# KiCad board keyboard.kicad_pcb (continued)
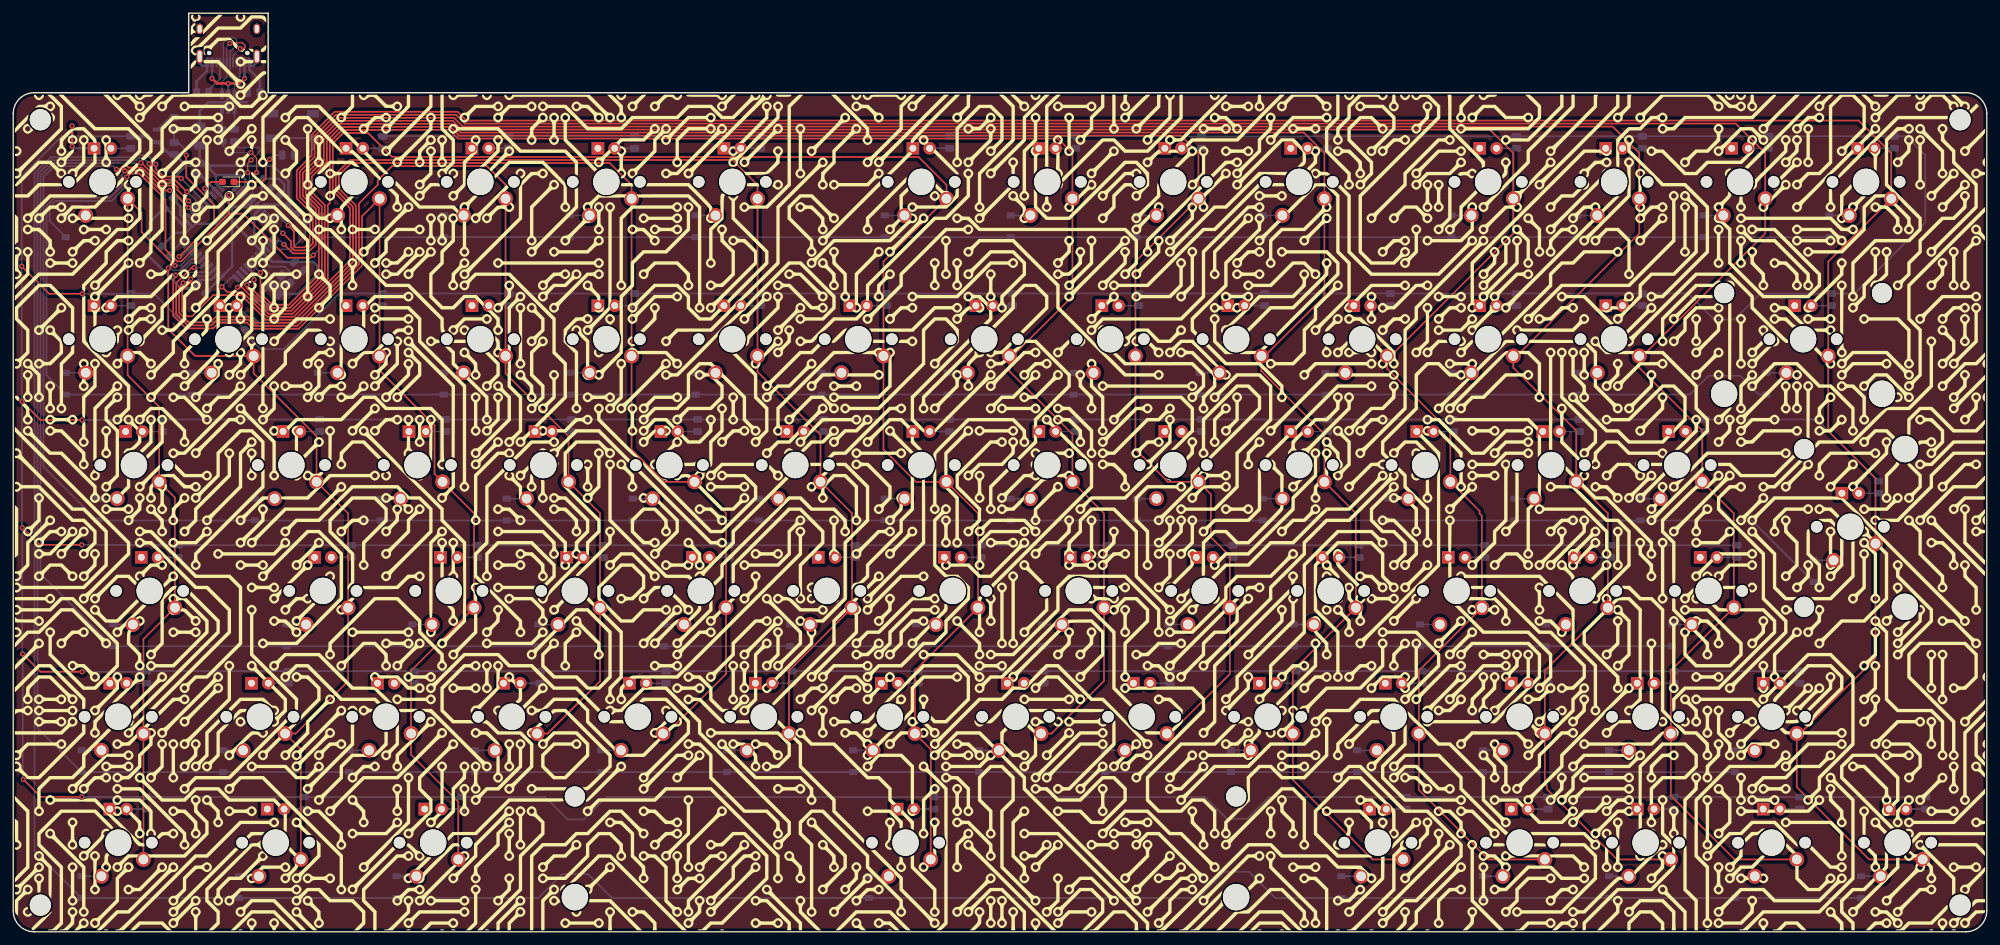
[diagram p0: board, top side]
## Nets
+5V: C4.1 C5.1 C6.1 C7.1 F1.1 Q1.2 R1.1 R85.2 U1.2 U1.7 U1.14 U1.24 U1.34 U1.44
GND: C1.2 C2.2 C3.2 C4.2 C5.2 C6.2 C7.2 K_0.4 K_1.4 K_2.4 K_3.4 K_4.4 K_5.4 K_6.4 K_7.4 K_8.4 K_9.4 K_10.4 K_11.4 K_12.4 K_13.4 K_14.4 K_15.4 K_16.4 K_17.4 K_18.4 K_19.4 K_20.4 K_21.4 K_22.4 K_23.4 K_24.4 K_25.4 K_26.4 K_27.4 K_28.4 K_29.4 K_30.4 K_31.4 K_32.4 K_33.4 K_34.4 K_35.4 K_36.4 K_37.4 K_38.4 K_39.4 K_40.4 K_41.4 K_42.4 K_43.4 K_44.4 K_45.4 K_46.4 K_47.4 K_48.4 K_49.4 K_50.4 K_51.4 K_52.4 K_53.4 K_54.4 K_55.4 K_56.4 K_57.4 K_58.4 K_59.4 K_60.4 K_61.4 K_62.4 K_63.4 K_64.4 K_65.4 K_66.4 K_67.4 K_68.4 K_69.4 K_70.4 K_71.4 K_72.4 K_73.4 K_74.4 K_75.4 K_76.4 R4.1 R82.1 R83.1 R86.2 SW1.1 U1.5 U1.15 U1.23 U1.35 U1.43 U2.2 USB1.1 USB1.12 USB1.13 Y1.2 Y1.4
VCC: F1.2 U2.5 USB1.2 USB1.11
/_D+: R2.1 U1.4
/_D-: R3.1 U1.3
/_RESET: R1.2 SW1.2 U1.13
CAPS_LOCK: D1.2 U1.41
col0: K_0.1 K_13.1 K_27.1 K_41.1 K_54.1 K_68.1 U1.30
col1: K_14.1 K_28.1 K_42.1 K_55.1 K_69.1 U1.29
col2: K_1.1 K_15.1 K_29.1 K_43.1 K_56.1 K_70.1 U1.28
col3: K_2.1 K_16.1 K_30.1 K_44.1 K_57.1 U1.27
col4: K_3.1 K_17.1 K_31.1 K_45.1 K_58.1 U1.26
col5: K_4.1 K_18.1 K_32.1 K_46.1 K_59.1 U1.25
col6: K_5.1 K_19.1 K_33.1 K_47.1 K_60.1 K_71.1 U1.22
col7: K_6.1 K_20.1 K_34.1 K_48.1 K_61.1 U1.21
col8: K_7.1 K_21.1 K_35.1 K_49.1 K_62.1 U1.20
col9: K_8.1 K_22.1 K_36.1 K_50.1 K_63.1 K_72.1 U1.19
col10: K_9.1 K_23.1 K_37.1 K_51.1 K_64.1 K_73.1 U1.18
col11: K_10.1 K_24.1 K_38.1 K_52.1 K_65.1 K_74.1 U1.12
col12: K_11.1 K_25.1 K_39.1 K_53.1 K_66.1 K_75.1 U1.11
col13: K_12.1 K_26.1 K_40.1 K_67.1 K_76.1 U1.10
D+: R2.2 U2.3
D-: R3.2 U2.1
DBUS+: U2.4 USB1.6 USB1.8
DBUS-: U2.6 USB1.5 USB1.7
LED_OUT: Q1.3 R5.2 R6.2 R7.2 R8.2 R9.2 R10.2 R11.2 R12.2 R13.2 R14.2 R15.2 R16.2 R17.2 R19.2 R20.2 R21.2 R22.2 R23.2 R24.2 R25.2 R26.2 R27.2 R28.2 R29.2 R30.2 R31.2 R32.2 R33.2 R34.2 R35.2 R36.2 R37.2 R38.2 R39.2 R40.2 R41.2 R42.2 R43.2 R44.2 R45.2 R46.2 R47.2 R48.2 R49.2 R50.2 R51.2 R52.2 R53.2 R54.2 R55.2 R56.2 R57.2 R58.2 R59.2 R60.2 R61.2 R62.2 R63.2 R64.2 R65.2 R66.2 R67.2 R68.2 R69.2 R70.2 R71.2 R72.2 R73.2 R74.2 R75.2 R76.2 R77.2 R78.2 R79.2 R80.2 R81.2 R84.2
LEDS: R18.2 R85.1 U1.31
row0: D_0.1 D_1.1 D_2.1 D_3.1 D_4.1 D_5.1 D_6.1 D_7.1 D_8.1 D_9.1 D_10.1 D_11.1 D_12.1 U1.1
row1: D_13.1 D_14.1 D_15.1 D_16.1 D_17.1 D_18.1 D_19.1 D_20.1 D_21.1 D_22.1 D_23.1 D_24.1 D_25.1 D_26.1 U1.36
row2: D_27.1 D_28.1 D_29.1 D_30.1 D_31.1 D_32.1 D_33.1 D_34.1 D_35.1 D_36.1 D_37.1 D_38.1 D_39.1 D_40.1 U1.37
row3: D_41.1 D_42.1 D_43.1 D_44.1 D_45.1 D_46.1 D_47.1 D_48.1 D_49.1 D_50.1 D_51.1 D_52.1 D_53.1 U1.38
row4: D_54.1 D_55.1 D_56.1 D_57.1 D_58.1 D_59.1 D_60.1 D_61.1 D_62.1 D_63.1 D_64.1 D_65.1 D_66.1 D_67.1 U1.39
row5: D_68.1 D_69.1 D_70.1 D_71.1 D_72.1 D_73.1 D_74.1 D_75.1 D_76.1 U1.40
Net-(C1-Pad1): C1.1 U1.17 Y1.1
Net-(C2-Pad1): C2.1 U1.16 Y1.3
Net-(C3-Pad1): C3.1 U1.6
Net-(D1-Pad1): D1.1 R86.1
Net-(D_0-Pad2): D_0.2 K_0.2
Net-(D_1-Pad2): D_1.2 K_1.2
Net-(D_2-Pad2): D_2.2 K_2.2
Net-(D_3-Pad2): D_3.2 K_3.2
Net-(D_4-Pad2): D_4.2 K_4.2
Net-(D_5-Pad2): D_5.2 K_5.2
Net-(D_6-Pad2): D_6.2 K_6.2
Net-(D_7-Pad2): D_7.2 K_7.2
Net-(D_8-Pad2): D_8.2 K_8.2
Net-(D_9-Pad2): D_9.2 K_9.2
Net-(D_10-Pad2): D_10.2 K_10.2
Net-(D_11-Pad2): D_11.2 K_11.2
Net-(D_12-Pad2): D_12.2 K_12.2
Net-(D_13-Pad2): D_13.2 K_13.2
Net-(D_14-Pad2): D_14.2 K_14.2
Net-(D_15-Pad2): D_15.2 K_15.2
Net-(D_16-Pad2): D_16.2 K_16.2
Net-(D_17-Pad2): D_17.2 K_17.2
Net-(D_18-Pad2): D_18.2 K_18.2
Net-(D_19-Pad2): D_19.2 K_19.2
Net-(D_20-Pad2): D_20.2 K_20.2
Net-(D_21-Pad2): D_21.2 K_21.2
Net-(D_22-Pad2): D_22.2 K_22.2
Net-(D_23-Pad2): D_23.2 K_23.2
Net-(D_24-Pad2): D_24.2 K_24.2
Net-(D_25-Pad2): D_25.2 K_25.2
Net-(D_26-Pad2): D_26.2 K_26.2
Net-(D_27-Pad2): D_27.2 K_27.2
Net-(D_28-Pad2): D_28.2 K_28.2
Net-(D_29-Pad2): D_29.2 K_29.2
Net-(D_30-Pad2): D_30.2 K_30.2
Net-(D_31-Pad2): D_31.2 K_31.2
Net-(D_32-Pad2): D_32.2 K_32.2
Net-(D_33-Pad2): D_33.2 K_33.2
Net-(D_34-Pad2): D_34.2 K_34.2
Net-(D_35-Pad2): D_35.2 K_35.2
Net-(D_36-Pad2): D_36.2 K_36.2
Net-(D_37-Pad2): D_37.2 K_37.2
Net-(D_38-Pad2): D_38.2 K_38.2
Net-(D_39-Pad2): D_39.2 K_39.2
Net-(D_40-Pad2): D_40.2 K_40.2
Net-(D_41-Pad2): D_41.2 K_41.2
Net-(D_42-Pad2): D_42.2 K_42.2
Net-(D_43-Pad2): D_43.2 K_43.2
Net-(D_44-Pad2): D_44.2 K_44.2
Net-(D_45-Pad2): D_45.2 K_45.2
Net-(D_46-Pad2): D_46.2 K_46.2
Net-(D_47-Pad2): D_47.2 K_47.2
Net-(D_48-Pad2): D_48.2 K_48.2
Net-(D_49-Pad2): D_49.2 K_49.2
Net-(D_50-Pad2): D_50.2 K_50.2
Net-(D_51-Pad2): D_51.2 K_51.2
Net-(D_52-Pad2): D_52.2 K_52.2
Net-(D_53-Pad2): D_53.2 K_53.2
Net-(D_54-Pad2): D_54.2 K_54.2
Net-(D_55-Pad2): D_55.2 K_55.2
Net-(D_56-Pad2): D_56.2 K_56.2
Net-(D_57-Pad2): D_57.2 K_57.2
Net-(D_58-Pad2): D_58.2 K_58.2
Net-(D_59-Pad2): D_59.2 K_59.2
Net-(D_60-Pad2): D_60.2 K_60.2
Net-(D_61-Pad2): D_61.2 K_61.2
Net-(D_62-Pad2): D_62.2 K_62.2
Net-(D_63-Pad2): D_63.2 K_63.2
Net-(D_64-Pad2): D_64.2 K_64.2
Net-(D_65-Pad2): D_65.2 K_65.2
Net-(D_66-Pad2): D_66.2 K_66.2
Net-(D_67-Pad2): D_67.2 K_67.2
Net-(D_68-Pad2): D_68.2 K_68.2
Net-(D_69-Pad2): D_69.2 K_69.2
Net-(D_70-Pad2): D_70.2 K_70.2
Net-(D_71-Pad2): D_71.2 K_71.2
Net-(D_72-Pad2): D_72.2 K_72.2
Net-(D_73-Pad2): D_73.2 K_73.2
Net-(D_74-Pad2): D_74.2 K_74.2
Net-(D_75-Pad2): D_75.2 K_75.2
Net-(D_76-Pad2): D_76.2 K_76.2
Net-(K_0-Pad3): K_0.3 R5.1
Net-(K_1-Pad3): K_1.3 R6.1
Net-(K_2-Pad3): K_2.3 R7.1
Net-(K_3-Pad3): K_3.3 R8.1
Net-(K_4-Pad3): K_4.3 R9.1
Net-(K_5-Pad3): K_5.3 R10.1
Net-(K_6-Pad3): K_6.3 R11.1
Net-(K_7-Pad3): K_7.3 R12.1
Net-(K_8-Pad3): K_8.3 R13.1
Net-(K_9-Pad3): K_9.3 R14.1
Net-(K_10-Pad3): K_10.3 R15.1
Net-(K_11-Pad3): K_11.3 R16.1
Net-(K_12-Pad3): K_12.3 R17.1
Net-(K_13-Pad3): K_13.3 R19.1
Net-(K_14-Pad3): K_14.3 R20.1
Net-(K_15-Pad3): K_15.3 R21.1
Net-(K_16-Pad3): K_16.3 R22.1
Net-(K_17-Pad3): K_17.3 R23.1
Net-(K_18-Pad3): K_18.3 R24.1
Net-(K_19-Pad3): K_19.3 R25.1
Net-(K_20-Pad3): K_20.3 R26.1
Net-(K_21-Pad3): K_21.3 R27.1
Net-(K_22-Pad3): K_22.3 R28.1
Net-(K_23-Pad3): K_23.3 R29.1
Net-(K_24-Pad3): K_24.3 R30.1
Net-(K_25-Pad3): K_25.3 R84.1
Net-(K_26-Pad3): K_26.3 R31.1
Net-(K_27-Pad3): K_27.3 R32.1
Net-(K_28-Pad3): K_28.3 R33.1
Net-(K_29-Pad3): K_29.3 R34.1
Net-(K_30-Pad3): K_30.3 R35.1
Net-(K_31-Pad3): K_31.3 R36.1
Net-(K_32-Pad3): K_32.3 R37.1
Net-(K_33-Pad3): K_33.3 R38.1
Net-(K_34-Pad3): K_34.3 R39.1
Net-(K_35-Pad3): K_35.3 R40.1
Net-(K_36-Pad3): K_36.3 R41.1
Net-(K_37-Pad3): K_37.3 R42.1
Net-(K_38-Pad3): K_38.3 R43.1
Net-(K_39-Pad3): K_39.3 R44.1
Net-(K_40-Pad3): K_40.3 R45.1
Net-(K_41-Pad3): K_41.3 R46.1
Net-(K_42-Pad3): K_42.3 R47.1
Net-(K_43-Pad3): K_43.3 R48.1
Net-(K_44-Pad3): K_44.3 R49.1
Net-(K_45-Pad3): K_45.3 R50.1
Net-(K_46-Pad3): K_46.3 R51.1
Net-(K_47-Pad3): K_47.3 R52.1
Net-(K_48-Pad3): K_48.3 R53.1
Net-(K_49-Pad3): K_49.3 R54.1
Net-(K_50-Pad3): K_50.3 R55.1
Net-(K_51-Pad3): K_51.3 R56.1
Net-(K_52-Pad3): K_52.3 R57.1
Net-(K_53-Pad3): K_53.3 R58.1
Net-(K_54-Pad3): K_54.3 R59.1
Net-(K_55-Pad3): K_55.3 R60.1
Net-(K_56-Pad3): K_56.3 R61.1
Net-(K_57-Pad3): K_57.3 R62.1
Net-(K_58-Pad3): K_58.3 R63.1
Net-(K_59-Pad3): K_59.3 R64.1
Net-(K_60-Pad3): K_60.3 R65.1
Net-(K_61-Pad3): K_61.3 R66.1
Net-(K_62-Pad3): K_62.3 R67.1
Net-(K_63-Pad3): K_63.3 R68.1
Net-(K_64-Pad3): K_64.3 R69.1
Net-(K_65-Pad3): K_65.3 R70.1
Net-(K_66-Pad3): K_66.3 R71.1
Net-(K_67-Pad3): K_67.3 R72.1
Net-(K_68-Pad3): K_68.3 R73.1
Net-(K_69-Pad3): K_69.3 R74.1
Net-(K_70-Pad3): K_70.3 R75.1
Net-(K_71-Pad3): K_71.3 R76.1
Net-(K_72-Pad3): K_72.3 R77.1
Net-(K_73-Pad3): K_73.3 R78.1
Net-(K_74-Pad3): K_74.3 R79.1
Net-(K_75-Pad3): K_75.3 R80.1
Net-(K_76-Pad3): K_76.3 R81.1
Net-(Q1-Pad1): Q1.1 R18.1
Net-(R4-Pad2): R4.2 U1.33
Net-(R82-Pad2): R82.2 USB1.4
Net-(R83-Pad2): R83.2 USB1.10

Pads without a net: U1 8 9 32 42; USB1 3 9

## Via types
v1: diameter 0.8, hole 0.4, Top to Bottom, 52 vias

## Routing (per net, layer and track width the routed paths; a pad name or vN(x,y) marks a point on that pad's centre or on a via; arc(x,y) is an arc through that point)
+5V: length 86.3
  Bottom w0.381: Q1.2 23.69,117.65 R85.2 24.47,117.65 26.16,115.95 ; U1.7 37.91,110.05 41.41,110.05 42.87,108.59 ; 41.61,110.03 41.61,113.62 39.28,115.95 26.16,115.95 ; C5.1 27.07,97.36 25.42,97.36 20.64,102.15 20.64,107.37 C7.1 22.87,112.65 26.16,115.95 ; 30.65,114.52 29.31,115.86 ; 30.65,114.52 34.43,114.52 35.09,113.86 35.09,112.88 U1.2 ; 30.65,114.52 30.65,113.3 U1.44 ; 27.87,98.08 28.48,98.69 29.95,98.69 U1.24 ; 28.18,118.98 28.18,117.08 29.26,116 ; 37.12,109.31 36.46,108.64 36.46,105.24 U1.14 ; U1.34 23.16,109.49
GND: length 107.6
  Top w0.381: v1(8.9,121.96) 8.92,121.94 v1(8.92,118.87)
  Bottom w0.254: 40.34,96.69 40.34,99.05
  Bottom w0.381: 33.1,107.46 33.1,109.72 ; 33.1,107.46 U1.15 39.16,101.4 45.38,101.4 46.01,100.78 46.01,99.52 43.05,96.56 40.35,96.56 38.2,94.4 ; 33.1,107.46 33.1,100.71 U1.23 29.22,96.83 ; 33.1,109.72 35.38,109.72 36.04,110.38 ; 33.1,109.72 U1.43 28.31,114.52 ; 33.1,109.72 30.55,107.17 27.58,107.17 27.16,106.75 27.02,106.75 ; U1.5 37.57,111.97 37.57,113.89 ; 36.88,132.52 36.88,131.63 36.31,131.07 35.74,131.07 ; 24.28,110.83 25.27,109.85 25.27,108.51 U1.35 27.02,106.75 ; 27.02,106.75 27.02,106.74 26.09,105.8 24.51,105.8 R4.1 ; 37.66,113.98 40.17,113.98 40.98,113.17 40.98,112.18 C4.2 ; R82.1 27.74,128.74 29.29,130.3 USB1.1 ; 35.34,125.56 32.98,125.56 32.52,125.1 32.52,124.22 ; R83.1 37.29,128.9 35.74,130.45 USB1.12 ; v1(8.92,118.87) 9.2,118.59 K_0.4 ; 28.24,132.52 28.24,131.43 28.6,131.07 29.29,131.07
VCC: length 19.1
  Top w0.381: v1(30.07,129.16) 30.83,128.4 v1(32.51,128.4) 34.23,128.4 v1(34.98,129.15)
  Bottom w0.381: 28.18,121.94 28.18,124.21 29.51,125.54 32.06,125.54 32.52,126 32.52,128.39 v1(32.51,128.4) ; v1(34.98,129.15) 34.98,131.06 ; v1(30.07,129.16) 30.07,131.07
/_D+: length 13.3
  Top w0.2: v1(35.95,117.95) 36.8,117.1 v1(36.8,114.92)
  Bottom w0.2: v1(35.95,117.95) 32.72,117.95 31.57,119.1 R2.1 ; 35.42,110.95 36.21,111.74 36.21,114.33 v1(36.8,114.92)
/_D-: length 12.8
  Top w0.2: v1(35.46,114.92) 35.46,116.3 v1(35.96,116.8)
  Bottom w0.2: v1(35.46,114.92) 35.7,114.68 35.7,112.36 34.85,111.51 ; v1(35.96,116.8) 37.37,118.21 37.37,118.49 37.15,118.71 33.99,118.71 33.47,119.23 R3.1
/_RESET: length 28.5
  Bottom w0.254: SW1.2 SW1.2 45.34,118.48 44.35,117.49 44.35,111.6 45.07,110.89 45.07,108.25 44.14,107.32 R1.2 ; U1.13 39.52,103.3 42.07,103.3 44.22,105.45 44.22,107.24
CAPS_LOCK: length 4.9
  Top w0.254: D1.2 29.95,113.51 v1(28.96,112.52)
  Bottom w0.254: U1.41 28.96,111.6 v1(28.96,112.52)
col0: length 121.8
  Top w0.254: v1(24.47,100.83) 19.41,105.89 19.41,108.86 17.3,110.97 K_13.1 17.3,84.25 22.07,79.48 K_27.1 24.45,65.72 K_41.1 19.69,44.29 K_54.1 K_68.1
  Bottom w0.254: v1(24.47,100.83) 25.31,100.83 U1.30
col1: length 117.3
  Top w0.254: v1(23.45,100.45) 23.45,91.21 27.5,87.15 K_14.1 36.35,84.55 45.88,75.03 K_28.1 50.64,63.34 K_42.1 50.64,37.94 42.71,30 K_55.1 43.5,27.62 K_69.1
  Bottom w0.254: v1(23.45,100.45) 23.82,100.45 24.16,100.11 25.22,100.11 26.95,101.83 27.44,101.83 U1.29
col2: length 169.3
  Top w0.254: K_70.1 67.31,19.66 60.17,26.8 K_56.1 60.17,39.53 K_43.1 69.69,63.34 K_29.1 63.71,69.32 63.71,76.65 55.4,84.96 K_15.1 55.4,110.97 52.74,108.3 52.74,100.83 43.19,91.28 36.28,91.28 35.36,92.2 31.1,92.2 30.23,91.33 26.12,91.33 24.19,93.26 24.19,98.72 24.55,99.09 v1(24.55,99.38)
  Bottom w0.254: U1.28 28,101.27 27.02,101.27 25.13,99.38 v1(24.55,99.38)
col3: length 172.4
  Top w0.254: v1(27.39,100.54) 26.99,100.54 24.64,98.19 24.64,96.06 24.64,96.06 24.64,93.52 26.38,91.79 29.98,91.79 30.84,92.65 35.55,92.65 36.47,91.73 43,91.73 52.28,101.02 52.28,110.23 55.12,113.07 55.12,113.73 57.31,115.91 71.62,115.91 74.45,113.08 74.45,111 74.45,111 K_16.1 74.45,84.52 83.98,74.99 K_30.1 88.74,63.34 K_44.1 88.74,37.94 80.81,30 K_57.1
  Bottom w0.254: v1(27.39,100.54) 28.41,100.54 U1.27
col4: length 198.7
  Top w0.254: K_58.1 98.77,30 107.79,39.03 K_45.1 107.79,63.34 K_31.1 98.41,68.1 95.39,71.12 95.39,71.16 94.66,71.9 94.61,71.9 93.5,73.01 K_17.1 93.5,113.05 90.19,116.37 51.1,116.37 49.22,114.49 49.22,112.52 51.83,109.92 51.83,101.21 42.81,92.19 36.65,92.19 35.74,93.1 30.65,93.1 29.79,92.24 26.56,92.24 25.1,93.7 25.1,96.21 25.1,96.21 25.09,96.22 25.09,97.61 v1(25.69,98.21)
  Bottom w0.254: v1(25.69,98.21) 25.69,99.08 26.42,99.81 28.81,99.81 U1.26
col5: length 215.5
  Top w0.254: v1(26.83,98.8) 26.83,98.3 25.55,97.02 25.56,97.01 25.56,93.93 25.55,93.92 25.55,93.89 26.28,93.16 27.03,93.16 30.23,96.36 34.5,96.36 38.16,92.7 38.16,92.64 42.62,92.64 51.38,101.4 51.38,109.73 48.77,112.34 48.77,114.68 50.91,116.82 108.78,116.82 112.55,113.05 112.55,84.75 122.08,75.23 K_32.1 126.84,63.34 K_46.1 117.32,39.53 K_59.1
  Bottom w0.254: v1(26.83,98.8) 27.24,99.21 29.34,99.21 U1.25
col6: length 262.6
  Top w0.254: v1(31.55,97.63) 32.37,96.81 34.69,96.81 38.41,93.1 42.43,93.1 50.92,101.58 50.92,109.54 48.32,112.15 48.32,119.32 49.89,120.9 53.68,120.9 57.3,117.27 136.91,117.27 141.13,113.05 141.13,110.97 131.6,101.44 K_19.1 131.6,73.01 132.71,71.9 132.76,71.9 133.49,71.16 133.49,71.12 136.51,68.1 K_33.1 145.89,63.34 K_47.1 136.37,39.53 K_60.1 138.75,27.62 K_71.1
  Bottom w0.254: U1.22 32.85,98.92 v1(31.55,97.63)
col7: length 258.5
  Top w0.254: v1(33.92,97.54) 34.6,97.54 38.59,93.55 42.25,93.55 47.58,98.88 47.58,110 47.86,110.28 47.86,119.51 49.71,121.35 57.38,121.35 57.41,121.38 65.92,121.38 67.24,120.06 157.97,120.06 160.18,117.86 160.18,96.18 151.15,87.15 K_20.1 150.65,84.86 160.18,75.33 K_34.1 164.94,63.34 K_48.1 164.94,37.94 157.01,30 K_61.1
  Bottom w0.254: U1.21 34.29,99.49 35.06,98.72 35.06,98.68 v1(33.92,97.54)
col8: length 279.9
  Top w0.254: K_62.1 174.97,30 183.99,39.03 K_49.1 183.99,56.85 181.11,59.73 181.11,66.22 K_35.1 174.61,68.1 171.59,71.12 171.59,71.16 170.86,71.9 170.81,71.9 169.7,73.01 K_21.1 169.7,101.44 179.23,110.97 179.23,117.86 176.57,120.51 67.43,120.51 66.11,121.83 52.33,121.83 52.3,121.81 49.52,121.81 47.41,119.7 47.41,116.56 45.14,114.29 45.14,111.96 47.13,109.97 47.13,99.07 42.06,94 38.78,94 35.32,97.46 v1(35.32,97.92)
  Bottom w0.254: U1.20 35.69,99.21 35.69,98.39 35.32,98.02 v1(35.32,97.92)
col9: length 324.5
  Top w0.254: K_72.1 205.56,10.95 202.55,13.96 202.55,14.01 201.81,14.75 201.76,14.75 193.52,22.99 K_63.1 193.52,39.53 K_50.1 203.04,63.34 K_36.1 198.28,75.33 188.75,84.86 K_22.1 189.25,87.15 198.28,96.18 198.28,117.86 195.17,120.97 67.62,120.97 66.3,122.29 49.56,122.29 49.54,122.26 49.33,122.26 46.96,119.89 46.96,116.75 44.69,114.48 44.69,111.76 46.67,109.77 46.67,99.26 41.87,94.46 38.97,94.46 36.42,97.01 v1(36.42,98.7)
  Bottom w0.254: U1.19 36.42,99.62 v1(36.42,98.7)
col10: length 360.2
  Top w0.254: K_73.1 223.08,10.95 212.57,21.47 K_64.1 212.57,39.53 K_51.1 222.09,62.95 221.75,63.29 221.75,63.68 K_37.1 217.33,75.63 207.8,85.16 K_23.1 208.3,87.15 226.85,105.7 226.85,117.86 223.29,121.42 67.8,121.42 66.48,122.74 49.17,122.74 46.48,120.05 46.48,116.92 44.24,114.67 44.24,111.57 46.22,109.58 46.22,99.45 41.68,94.91 39.16,94.91 37.4,96.67 v1(37.4,99.76)
  Bottom w0.254: v1(37.4,99.76) 35.98,101.18 U1.18
col11: length 366.6
  Top w0.254: v1(40.95,104.03) 42.3,102.69 44.43,102.69 45.77,104.02 45.77,109.4 43.78,111.38 43.78,114.86 46.03,117.1 46.03,120.24 48.98,123.19 66.67,123.19 67.99,121.87 241.89,121.87 245.9,117.86 245.9,105.7 227.35,87.15 K_24.1 226.85,85.36 236.38,75.84 K_38.1 241.14,63.34 K_52.1 231.62,39.53 K_65.1 231.62,22.43 231.91,22.14 231.91,21.59 242.55,10.95 K_74.1
  Bottom w0.254: v1(40.95,104.03) 40.4,104.58 U1.12
col12: length 387.9
  Top w0.254: v1(40.77,105.73) 42.01,104.5 42.01,103.62 42.48,103.14 44.24,103.14 45.31,104.21 45.31,109.21 43.33,111.19 43.33,115.05 45.57,117.29 45.57,120.43 48.81,123.67 66.97,123.67 68.31,122.33 260.48,122.33 264.95,117.86 264.95,105.7 246.4,87.15 K_25.1 245.9,85.36 255.43,75.84 K_39.1 260.19,63.34 K_53.1 250.67,39.53 K_66.1 250.67,20.61 260.32,10.95 K_75.1
  Bottom w0.254: U1.11 39.52,106.98 v1(40.77,105.73)
col13: length 402.7
  Top w0.254: K_76.1 280.65,10.95 269.72,21.88 K_67.1 270.22,30 281.62,41.41 K_40.1 281.62,68.64 274.48,75.79 K_26.1 274.48,101.44 284,110.97 284,117.86 279.08,122.78 68.54,122.78 67.19,124.12 48.62,124.12 45.12,120.62 45.12,117.48 42.87,115.23 42.87,111.01 44.84,109.04 44.84,104.37 44.06,103.59 42.67,103.59 42.46,103.8 42.46,106.05 v1(41.59,106.93)
  Bottom w0.254: v1(41.59,106.93) 39.99,108.53 39.81,108.53 38.83,107.55 U1.10
D+: length 2.7
  Bottom w0.2: 31.57,124.22 31.57,121.48
D-: length 2.7
  Bottom w0.2: 33.47,124.22 33.47,121.49
DBUS+: length 14.7
  Top w0.2: v1(34.32,133.67) 34.83,133.67 35.05,133.89 35.05,134.17 34.65,134.57 32.87,134.57 v1(32.77,134.47)
  Bottom w0.2: v1(34.32,133.67) 34.32,133.66 33.27,132.61 33.27,131.07 ; 31.57,126.92 31.57,128.63 32.27,129.33 32.27,133.97 v1(32.77,134.47)
DBUS-: length 14.7
  Bottom w0.2: 32.77,131.07 32.77,133.19 33.82,134.24 33.82,134.89 33.42,135.29 32.55,135.29 31.77,134.51 31.77,131.07 ; 33.47,126.92 33.47,128.68 32.77,129.38 32.77,131.07
LED_OUT: length 1772.4
  Top w0.254: v1(10.42,39.36) 4.12,39.36 v1(1.43,42.06) ; v1(10.47,96.56) 5.44,96.56 v1(1.28,100.73) ; v1(10.37,58.57) 3.97,58.57 v1(1.38,61.16) ; v1(1.53,23.06) 4.17,20.42 v1(10.37,20.42) ; v1(1.33,80.26) 4.12,77.46 v1(10.42,77.46)
  Bottom w0.254: R45.2 272.74,77.55 R44.2 R43.2 R42.2 R41.2 R40.2 R39.2 R38.2 R37.2 R36.2 R35.2 R34.2 R33.2 R32.2 22.44,77.46 v1(10.42,77.46) ; R58.2 R57.2 R56.2 R55.2 R54.2 R53.2 R52.2 R51.2 R50.2 R49.2 R48.2 R47.2 R46.2 24.84,58.57 v1(10.37,58.57) ; v1(10.37,20.42) 20.13,20.42 20.14,20.4 80.44,20.4 83.83,17.01 86.32,17.01 89.7,20.4 180.21,20.4 183.5,17.11 186.65,17.11 189.93,20.4 289.23,20.4 ; R6.2 55.9,120.45 R7.2 74.94,120.41 R8.2 R9.2 R10.2 R11.2 R12.2 R13.2 R14.2 R15.2 R16.2 R17.2 286.29,120.41 289.16,117.54 289.16,107.33 278.42,96.6 R31.2 264.2,96.6 260.25,92.65 257.26,92.65 253.31,96.6 R84.2 R30.2 R29.2 R28.2 R27.2 R26.2 R25.2 R24.2 R23.2 R22.2 R21.2 49.32,96.6 40.9,88.18 37.38,88.18 37.12,88.44 37.11,88.44 36.37,89.18 36.37,89.19 35.17,90.39 R20.2 33.91,92.3 25.56,92.3 21.26,96.6 R19.2 17.73,96.56 v1(10.47,96.56) ; v1(1.53,23.06) 1.43,23.16 v1(1.43,42.06) 1.38,42.11 v1(1.38,61.16) 1.33,61.21 v1(1.33,80.26) 1.28,80.31 v1(1.28,100.73) 1.28,114.34 7.34,120.41 R5.2 19.9,120.41 Q1.3 ; v1(10.42,39.36) 20.06,39.36 R59.2 R60.2 R61.2 R62.2 R63.2 R64.2 R65.2 R66.2 R67.2 R68.2 R69.2 R70.2 R71.2 R72.2
LEDS: length 26.5
  Top w0.254: v1(26.17,117.54) 26.17,114.24 30.38,110.03 30.38,107.49 v1(25.1,102.2)
  Bottom w0.254: R18.2 24.32,121.44 R85.1 24.95,119.48 26.17,118.26 v1(26.17,117.54) ; U1.31 25.54,102.2 v1(25.1,102.2)
row0: length 299.9
  Top w0.254: v1(17.18,114.24) 17.69,114.76 19.09,114.76 23.02,110.83 23.02,103.26 24.8,101.48 25.4,101.48 32.62,108.69 ; 32.62,108.69 v1(32.62,111.5) ; 32.62,108.69 34.76,108.69 41.43,102.03 44.99,102.03 v1(45.37,102.41)
  Bottom w0.254: v1(17.18,114.24) 17.18,112.92 14.89,110.64 6.41,110.64 5.49,109.72 5.49,107.59 D_0.1 ; v1(32.62,111.5) 33.72,112.6 U1.1 ; v1(45.37,102.41) 46.54,103.57 D_1.1 65.06,105.13 D_2.1 84.12,105.16 D_3.1 D_4.1 D_5.1 D_6.1 D_7.1 D_8.1 D_9.1 D_10.1 D_11.1 D_12.1
row1: length 318.2
  Top w0.254: v1(23.66,112.21) 22.28,112.21 19.28,115.21 16.88,115.21 v1(16.86,115.19)
  Bottom w0.254: U1.36 25.78,109.12 25.78,110.56 24.14,112.21 v1(23.66,112.21) ; D_26.1 264,81.31 261.14,84.17 256.39,84.17 253.54,81.31 D_25.1 D_24.1 D_23.1 D_22.1 D_21.1 D_20.1 D_19.1 D_18.1 D_17.1 D_16.1 D_15.1 D_14.1 D_13.1 5.04,84.23 5.04,109.91 6.22,111.09 14.58,111.09 16.47,112.97 16.45,112.99 16.45,114.54 16.86,114.95 v1(16.86,115.19)
row2: length 346.1
  Top w0.254: v1(26.51,109.62) 26.48,109.62 24.38,111.72 24.38,112.52 23.97,112.94 22.2,112.94 19.47,115.66 17.41,115.66 17.16,115.92 16.56,115.92 16.05,115.41 v1(15.6,115.41)
  Bottom w0.254: U1.37 27.36,108.77 v1(26.51,109.62) ; D_40.1 262.93,62.26 D_39.1 D_38.1 D_37.1 D_36.1 D_35.1 D_34.1 D_33.1 D_32.1 D_31.1 D_30.1 D_29.1 D_28.1 D_27.1 4.59,70.39 4.59,114.25 6.21,115.88 15.14,115.88 v1(15.6,115.41)
row3: length 339.3
  Top w0.254: v1(26.51,110.62) 24.84,112.29 24.84,112.71 24.16,113.39 22.38,113.39 19.4,116.37 19.33,116.37 v1(19.31,116.39)
  Bottom w0.254: U1.38 26.55,110.62 v1(26.51,110.62) ; D_53.1 D_52.1 D_51.1 D_50.1 D_49.1 D_48.1 D_47.1 D_46.1 D_45.1 D_44.1 D_43.1 D_42.1 D_41.1 4.13,54.18 4.13,114.44 6.02,116.33 19.25,116.33 v1(19.31,116.39)
row4: length 372.3
  Top w0.254: v1(20.55,116.25) 20.55,115.86 22.57,113.84 24.43,113.84 v1(26.27,112.01)
  Bottom w0.254: D_67.1 D_66.1 D_65.1 D_64.1 D_63.1 D_62.1 D_61.1 D_60.1 D_59.1 D_58.1 D_57.1 D_56.1 D_55.1 D_54.1 3.68,30.82 3.68,114.63 5.84,116.78 18.68,116.78 19.01,117.12 19.68,117.12 v1(20.55,116.25) ; U1.39 26.29,112.01 v1(26.27,112.01)
row5: length 418.4
  Top w0.254: v1(21.55,116.15) 21.55,115.51 22.76,114.3 25.15,114.3 v1(25.41,114.04)
  Bottom w0.254: D_76.1 D_75.1 D_74.1 D_73.1 D_72.1 190.87,5.11 186.9,9.09 183.19,9.09 179.22,5.11 D_71.1 90.54,5.11 86.93,8.73 83.01,8.73 79.4,5.11 D_70.1 D_69.1 D_68.1 3.21,12.24 3.21,114.8 5.65,117.24 18.45,117.24 18.78,117.57 20.26,117.57 21.55,116.28 v1(21.55,116.15) ; U1.40 25.41,114.03 v1(25.41,114.04)
Net-(C1-Pad1): length 7.7
  Bottom w0.254: C1.1 38.83,97.72 ; Y1.1 39,99.35 36.58,101.76
Net-(C2-Pad1): length 9.9
  Bottom w0.254: 42.43,98.78 42.43,99.33 41.07,100.69 38.74,100.69 37.12,102.3 ; Y1.3 43.77,100.11
Net-(C3-Pad1): length 3.5
  Bottom w0.254: U1.6 39.01,112.27
Net-(D1-Pad1): length 10.3
  Top w0.254: D1.1 37.62,113.51 38.18,114.07 38.18,116.33 v1(38.77,116.91)
  Bottom w0.254: v1(38.77,116.91) 39.43,117.57 R86.1
Net-(D_0-Pad2): length 3
  Bottom w0.254: K_0.2 D_0.2
Net-(D_1-Pad2): length 2.5
  Bottom w0.254: D_1.2 K_1.2
Net-(D_2-Pad2): length 3
  Bottom w0.254: D_2.2 68.1,108.46
Net-(D_3-Pad2): length 3
  Bottom w0.254: D_3.2 K_3.2
Net-(D_4-Pad2): length 3
  Bottom w0.254: D_4.2 K_4.2
Net-(D_5-Pad2): length 3
  Bottom w0.254: D_5.2 K_5.2
Net-(D_6-Pad2): length 3
  Bottom w0.254: D_6.2 K_6.2
Net-(D_7-Pad2): length 3
  Bottom w0.254: D_7.2 K_7.2
Net-(D_8-Pad2): length 3
  Bottom w0.254: D_8.2 K_8.2
Net-(D_9-Pad2): length 3
  Bottom w0.254: D_9.2 K_9.2
Net-(D_10-Pad2): length 3
  Bottom w0.254: D_10.2 K_10.2
Net-(D_11-Pad2): length 3
  Bottom w0.254: D_11.2 K_11.2
Net-(D_12-Pad2): length 3
  Bottom w0.254: D_12.2 K_12.2
Net-(D_13-Pad2): length 3
  Bottom w0.254: D_13.2 K_13.2
Net-(D_14-Pad2): length 3
  Bottom w0.254: D_14.2 K_14.2
Net-(D_15-Pad2): length 3
  Bottom w0.254: D_15.2 K_15.2
Net-(D_16-Pad2): length 3
  Bottom w0.254: D_16.2 68.1,84.61
Net-(D_17-Pad2): length 3
  Bottom w0.254: D_17.2 K_17.2
Net-(D_18-Pad2): length 3
  Bottom w0.254: D_18.2 K_18.2
Net-(D_19-Pad2): length 3
  Bottom w0.254: D_19.2 K_19.2
Net-(D_20-Pad2): length 3
  Bottom w0.254: D_20.2 K_20.2
Net-(D_21-Pad2): length 3
  Bottom w0.254: D_21.2 163.35,84.61
Net-(D_22-Pad2): length 3
  Bottom w0.254: D_22.2 K_22.2
Net-(D_23-Pad2): length 3
  Bottom w0.254: D_23.2 K_23.2
Net-(D_24-Pad2): length 3
  Bottom w0.254: D_24.2 K_24.2
Net-(D_25-Pad2): length 3
  Bottom w0.254: D_25.2 K_25.2
Net-(D_26-Pad2): length 3
  Bottom w0.254: D_26.2 K_26.2
Net-(D_27-Pad2): length 3
  Bottom w0.254: D_27.2 K_27.2
Net-(D_28-Pad2): length 3
  Bottom w0.254: D_28.2 K_28.2
Net-(D_29-Pad2): length 3
  Bottom w0.254: D_29.2 K_29.2
Net-(D_30-Pad2): length 3
  Bottom w0.254: D_30.2 K_30.2
Net-(D_31-Pad2): length 3
  Bottom w0.254: D_31.2 K_31.2
Net-(D_32-Pad2): length 3
  Bottom w0.254: D_32.2 K_32.2
Net-(D_33-Pad2): length 3
  Bottom w0.254: D_33.2 K_33.2
Net-(D_34-Pad2): length 3
  Bottom w0.254: D_34.2 K_34.2
Net-(D_35-Pad2): length 3
  Bottom w0.254: D_35.2 K_35.2
Net-(D_36-Pad2): length 3
  Bottom w0.254: D_36.2 K_36.2
Net-(D_37-Pad2): length 3
  Bottom w0.254: D_37.2 K_37.2
Net-(D_38-Pad2): length 3
  Bottom w0.254: D_38.2 K_38.2
Net-(D_39-Pad2): length 3
  Bottom w0.254: D_39.2 K_39.2
Net-(D_40-Pad2): length 3
  Bottom w0.254: D_40.2 K_40.2
Net-(D_41-Pad2): length 3
  Bottom w0.254: D_41.2 K_41.2
Net-(D_42-Pad2): length 3
  Bottom w0.254: D_42.2 K_42.2
Net-(D_43-Pad2): length 3
  Bottom w0.254: D_43.2 K_43.2
Net-(D_44-Pad2): length 3
  Bottom w0.254: D_44.2 K_44.2
Net-(D_45-Pad2): length 3
  Bottom w0.254: D_45.2 K_45.2
Net-(D_46-Pad2): length 3
  Bottom w0.254: D_46.2 K_46.2
Net-(D_47-Pad2): length 3
  Bottom w0.254: D_47.2 K_47.2
Net-(D_48-Pad2): length 3
  Bottom w0.254: D_48.2 K_48.2
Net-(D_49-Pad2): length 3
  Bottom w0.254: D_49.2 K_49.2
Net-(D_50-Pad2): length 3
  Bottom w0.254: D_50.2 K_50.2
Net-(D_51-Pad2): length 3
  Bottom w0.254: D_51.2 K_51.2
Net-(D_52-Pad2): length 3
  Bottom w0.254: D_52.2 K_52.2
Net-(D_53-Pad2): length 3
  Bottom w0.254: D_53.2 K_53.2
Net-(D_54-Pad2): length 3
  Bottom w0.254: D_54.2 K_54.2
Net-(D_55-Pad2): length 3
  Bottom w0.254: K_55.2 D_55.2
Net-(D_56-Pad2): length 3
  Bottom w0.254: K_56.2 D_56.2
Net-(D_57-Pad2): length 3
  Bottom w0.254: K_57.2 D_57.2
Net-(D_58-Pad2): length 3
  Bottom w0.254: D_58.2 K_58.2
Net-(D_59-Pad2): length 3
  Bottom w0.254: D_59.2 K_59.2
Net-(D_60-Pad2): length 3
  Bottom w0.254: D_60.2 K_60.2
Net-(D_61-Pad2): length 3
  Bottom w0.254: D_61.2 K_61.2
Net-(D_62-Pad2): length 3
  Bottom w0.254: D_62.2 K_62.2
Net-(D_63-Pad2): length 3
  Bottom w0.254: D_63.2 K_63.2
Net-(D_64-Pad2): length 3
  Bottom w0.254: D_64.2 K_64.2
Net-(D_65-Pad2): length 3
  Bottom w0.254: D_65.2 K_65.2
Net-(D_66-Pad2): length 3
  Bottom w0.254: D_66.2 K_66.2
Net-(D_67-Pad2): length 3
  Bottom w0.254: D_67.2 K_67.2
Net-(D_68-Pad2): length 3
  Bottom w0.254: D_68.2 K_68.2
Net-(D_69-Pad2): length 3
  Bottom w0.254: D_69.2 K_69.2
Net-(D_70-Pad2): length 3
  Bottom w0.254: D_70.2 K_70.2
Net-(D_71-Pad2): length 3
  Bottom w0.254: D_71.2 K_71.2
Net-(D_72-Pad2): length 3
  Bottom w0.254: D_72.2 K_72.2
Net-(D_73-Pad2): length 3
  Bottom w0.254: D_73.2 K_73.2
Net-(D_74-Pad2): length 3
  Bottom w0.254: D_74.2 K_74.2
Net-(D_75-Pad2): length 3
  Bottom w0.254: D_75.2 K_75.2
Net-(D_76-Pad2): length 3
  Bottom w0.254: D_76.2 K_76.2
Net-(K_0-Pad3): length 3
  Bottom w0.254: R5.1 K_0.3
Net-(K_1-Pad3): length 3
  Bottom w0.254: K_1.3 55.86,118.59 R6.1
Net-(K_2-Pad3): length 3
  Bottom w0.254: R7.1 71.91,118.62
Net-(K_3-Pad3): length 3
  Bottom w0.254: R8.1 93.96,118.59 90.96,118.59
Net-(K_4-Pad3): length 3
  Bottom w0.254: R9.1 113.01,118.59 K_4.3
Net-(K_5-Pad3): length 3
  Bottom w0.254: K_5.3 141.59,118.59 R10.1
Net-(K_6-Pad3): length 3
  Bottom w0.254: K_6.3 160.64,118.59 R11.1
Net-(K_7-Pad3): length 3
  Bottom w0.254: K_7.3 179.69,118.59 R12.1
Net-(K_8-Pad3): length 3
  Bottom w0.254: K_8.3 198.74,118.59 R13.1
Net-(K_9-Pad3): length 3
  Bottom w0.254: K_9.3 227.31,118.59 R14.1
Net-(K_10-Pad3): length 3
  Bottom w0.254: K_10.3 246.36,118.59 R15.1
Net-(K_11-Pad3): length 3
  Bottom w0.254: R16.1 265.41,118.59 K_11.3
Net-(K_12-Pad3): length 3
  Bottom w0.254: R17.1 284.46,118.59 K_12.3
Net-(K_13-Pad3): length 3
  Bottom w0.254: R19.1 17.76,94.77 K_13.3
Net-(K_14-Pad3): length 3.7
  Bottom w0.254: R20.1 36.26,92.33 K_14.3
Net-(K_15-Pad3): length 3
  Bottom w0.254: R21.1 55.86,94.77 K_15.3
Net-(K_16-Pad3): length 3
  Bottom w0.254: R22.1 K_16.3
Net-(K_17-Pad3): length 3
  Bottom w0.254: R23.1 93.96,94.77 90.96,94.77
Net-(K_18-Pad3): length 3
  Bottom w0.254: R24.1 K_18.3
Net-(K_19-Pad3): length 3
  Bottom w0.254: R25.1 132.06,94.77 K_19.3
Net-(K_20-Pad3): length 3
  Bottom w0.254: R26.1 K_20.3
Net-(K_21-Pad3): length 3
  Bottom w0.254: K_21.3 170.16,94.77 R27.1
Net-(K_22-Pad3): length 3
  Bottom w0.254: R28.1 K_22.3
Net-(K_23-Pad3): length 3
  Bottom w0.254: K_23.3 208.26,94.77 R29.1
Net-(K_24-Pad3): length 3
  Bottom w0.254: R30.1 K_24.3
Net-(K_25-Pad3): length 3
  Bottom w0.254: R84.1 246.36,94.77 K_25.3
Net-(K_26-Pad3): length 3
  Bottom w0.254: K_26.3 R31.1
Net-(K_27-Pad3): length 3
  Bottom w0.254: R32.1 22.53,75.72 K_27.3
Net-(K_28-Pad3): length 3
  Bottom w0.254: R33.1 K_28.3
Net-(K_29-Pad3): length 3
  Bottom w0.254: R34.1 K_29.3
Net-(K_30-Pad3): length 3
  Bottom w0.254: R35.1 K_30.3
Net-(K_31-Pad3): length 3
  Bottom w0.254: R36.1 K_31.3
Net-(K_32-Pad3): length 3
  Bottom w0.254: R37.1 K_32.3
Net-(K_33-Pad3): length 3
  Bottom w0.254: R38.1 K_33.3
Net-(K_34-Pad3): length 3
  Bottom w0.254: R39.1 K_34.3
Net-(K_35-Pad3): length 3
  Bottom w0.254: R40.1 K_35.3
Net-(K_36-Pad3): length 3
  Bottom w0.254: R41.1 K_36.3
Net-(K_37-Pad3): length 3
  Bottom w0.254: R42.1 K_37.3
Net-(K_38-Pad3): length 3
  Bottom w0.254: R43.1 K_38.3
Net-(K_39-Pad3): length 3
  Bottom w0.254: R44.1 K_39.3
Net-(K_40-Pad3): length 3
  Bottom w0.254: K_40.3 R45.1
Net-(K_41-Pad3): length 3
  Bottom w0.254: R46.1 K_41.3
Net-(K_42-Pad3): length 3
  Bottom w0.254: R47.1 K_42.3
Net-(K_43-Pad3): length 3
  Bottom w0.254: R48.1 K_43.3
Net-(K_44-Pad3): length 3
  Bottom w0.254: R49.1 K_44.3
Net-(K_45-Pad3): length 3
  Bottom w0.254: R50.1 K_45.3
Net-(K_46-Pad3): length 3
  Bottom w0.254: R51.1 K_46.3
Net-(K_47-Pad3): length 3
  Bottom w0.254: R52.1 K_47.3
Net-(K_48-Pad3): length 3
  Bottom w0.254: R53.1 K_48.3
Net-(K_49-Pad3): length 3
  Bottom w0.254: R54.1 K_49.3
Net-(K_50-Pad3): length 3
  Bottom w0.254: R55.1 K_50.3
Net-(K_51-Pad3): length 3
  Bottom w0.254: R56.1 K_51.3
Net-(K_52-Pad3): length 3
  Bottom w0.254: R57.1 K_52.3
Net-(K_53-Pad3): length 3
  Bottom w0.254: R58.1 K_53.3
Net-(K_54-Pad3): length 3
  Bottom w0.254: R59.1 K_54.3
Net-(K_55-Pad3): length 3
  Bottom w0.254: R60.1 K_55.3
Net-(K_56-Pad3): length 3
  Bottom w0.254: K_56.3 60.63,37.62 R61.1
Net-(K_57-Pad3): length 3
  Bottom w0.254: R62.1 K_57.3
Net-(K_58-Pad3): length 3
  Bottom w0.254: K_58.3 98.73,37.62 R63.1
Net-(K_59-Pad3): length 3
  Bottom w0.254: R64.1 K_59.3
Net-(K_60-Pad3): length 3
  Bottom w0.254: R65.1 136.83,37.62 K_60.3
Net-(K_61-Pad3): length 3
  Bottom w0.254: R66.1 K_61.3
Net-(K_62-Pad3): length 3
  Bottom w0.254: K_62.3 174.93,37.62 R67.1
Net-(K_63-Pad3): length 3
  Bottom w0.254: R68.1 K_63.3
Net-(K_64-Pad3): length 3
  Bottom w0.254: K_64.3 213.03,37.62 R69.1
Net-(K_65-Pad3): length 3
  Bottom w0.254: R70.1 K_65.3
Net-(K_66-Pad3): length 3
  Bottom w0.254: K_66.3 251.13,37.62 R71.1
Net-(K_67-Pad3): length 3
  Bottom w0.254: R72.1 K_67.3
Net-(K_68-Pad3): length 3
  Bottom w0.254: K_68.3 R73.1
Net-(K_69-Pad3): length 3
  Bottom w0.254: K_69.3 R74.1
Net-(K_70-Pad3): length 3
  Bottom w0.254: K_70.3 67.77,18.57 R75.1
Net-(K_71-Pad3): length 3
  Bottom w0.254: R76.1 K_71.3
Net-(K_72-Pad3): length 3
  Bottom w0.254: K_72.3 R77.1
Net-(K_73-Pad3): length 3
  Bottom w0.254: K_73.3 R78.1
Net-(K_74-Pad3): length 3
  Bottom w0.254: K_74.3 251.13,18.57 R79.1
Net-(K_75-Pad3): length 3
  Bottom w0.254: K_75.3 R80.1
Net-(K_76-Pad3): length 3
  Bottom w0.254: K_76.3 289.23,18.57 R81.1
Net-(Q1-Pad1): length 3.3
  Bottom w0.254: R18.1 23.69,123.28 Q1.1
Net-(R4-Pad2): length 2.8
  Bottom w0.254: U1.33 23.65,102.57
Net-(R82-Pad2): length 4.7
  Bottom w0.254: 31.27,131.07 31.27,129.08 29.59,127.4 29.59,127.05
Net-(R83-Pad2): length 4.8
  Bottom w0.254: 35.51,127.08 35.26,127.08 34.06,128.28 34.06,129.22 34.27,129.43 34.27,131.07

## Copper pours and planes (outline as drawn; the poured copper is in the pictures)
GND on Bottom: 339.6,148.33 343.26,-30.49 -13.61,-31.2 -13.56,150.97
(no net) on Top: 339.6,148.33 343.26,-30.49 -13.61,-31.2 -13.56,150.97

## Text on the board
B.Silkscreen: JLCJLCJLCJLC
